# KiCad board uaeficopiedtovfr.kicad_pcb (continued)
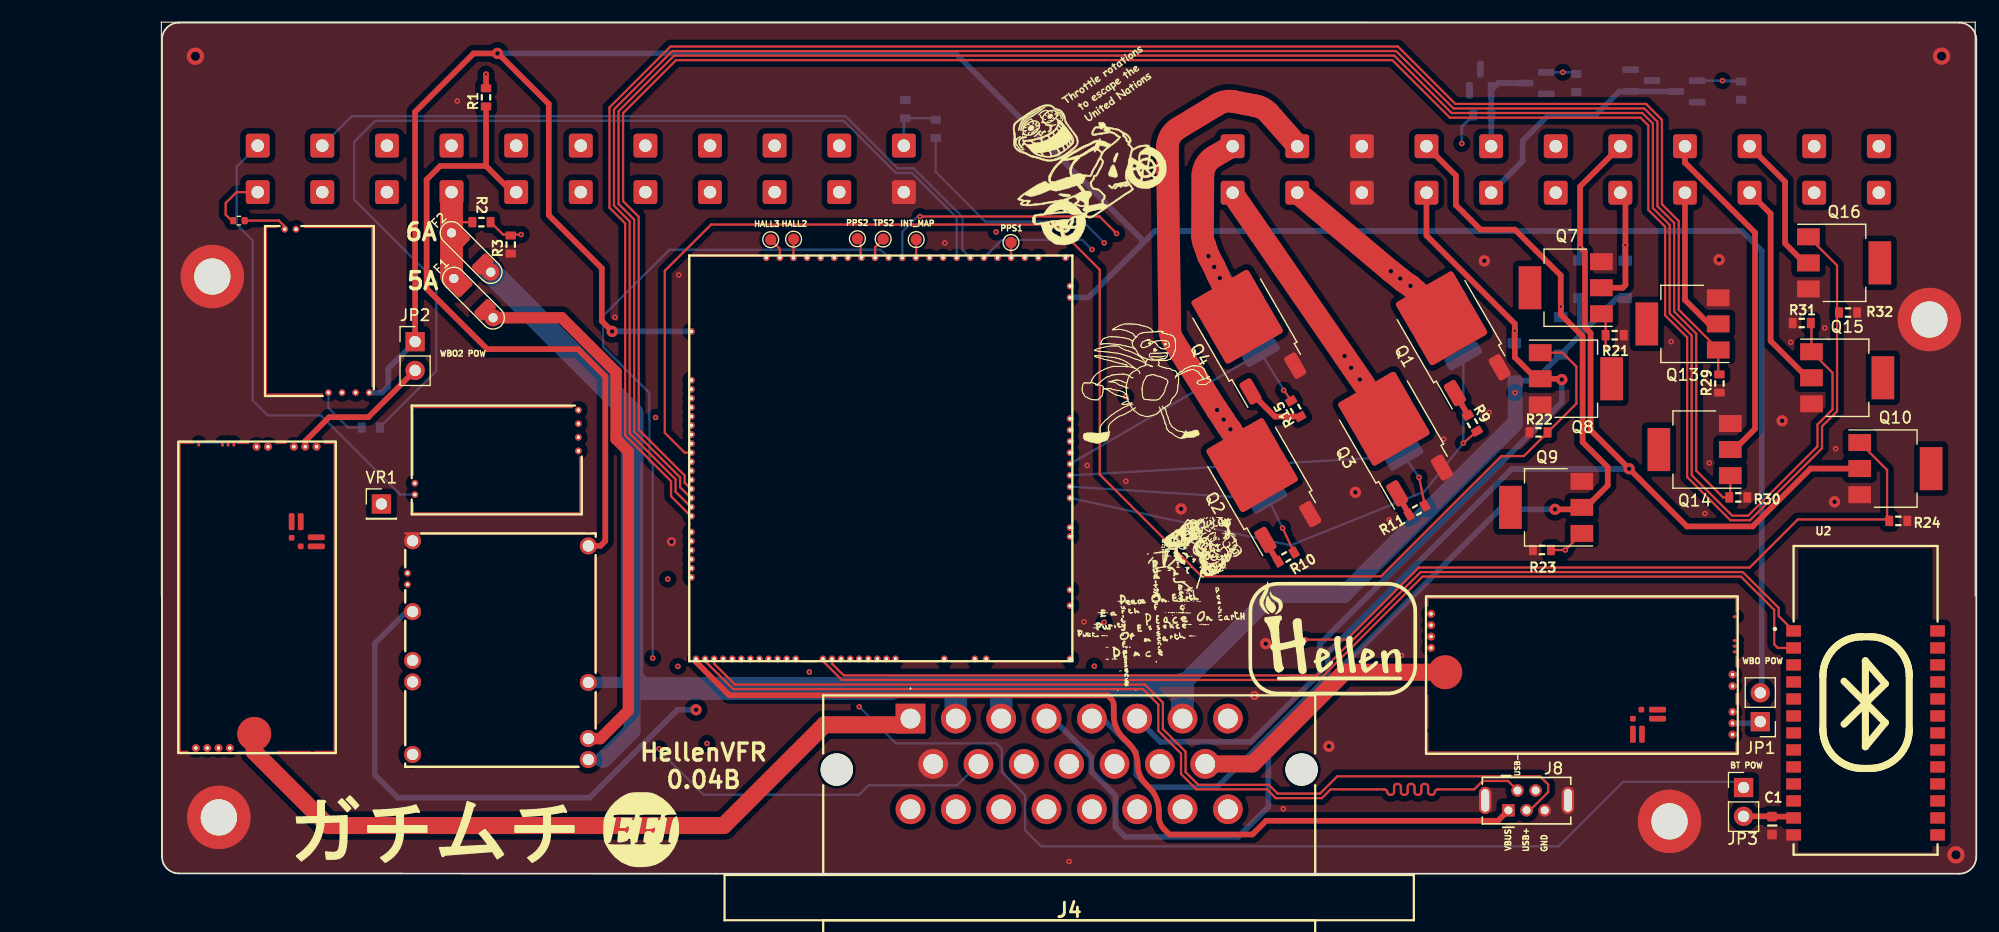
[diagram p0: board, top side]
## Nets
+3.3V: M6.N21 R17.2
+3.3VA: JP3.1 M6.N15
+5V: M1.E4 M6.N22
+5VA: JP1.2 JP2.1 M3.E4 M4.E4 M6.E1 M6.W2
+5VP: M1.V4 R1.1 U1.B7
+12V: F1.1 F2.1 R2.2 U1.B8
+12V_RAW: D2.1 D3.1 D4.1 D5.1 F2.2 J4.2 J4.3 J4.7 M1.V1 M1.V3
/Low Side/+12V_RAW: R16.2
/VBAT: M1.E1 M6.N17
/VBUS: J8.1 M6.N1
GND: C1.1 D6.2 D7.2 H1.1 H2.1 H3.1 H4.1 J4.9 J8.5 J8.6 M1.S1 M3.G M4.G M5.E6 M5.G M6.G M7.E6 M7.G Q1.3 Q2.3 Q3.3 Q4.3 Q7.3 Q8.3 Q9.3 Q10.3 Q11.3 Q12.3 Q13.3 Q14.3 Q15.3 Q16.3 R3.1 R19.1 R21.1 R22.1 R23.1 R24.1 R25.2 R26.2 R29.1 R30.1 R31.1 R32.1 U1.A9 U1.A20 U1.B1 U2.13
GNDA: M6.W1 U1.B2
/ADC3: M6.S15 R5.2
/BARO: M6.S7 U1.B4
/CAM+: M3.W2 REF**. REF**.2 U1.B11
/CAM/CRANK-: M3.W1 M4.W1 R1.2 R17.1 R19.2 U1.B12
/CAN+: J4.8 M5.W4 M6.W11 M7.W4
/CAN-: J4.14 M5.W3 M6.W12 M7.W3
/CLT: M6.S21 U1.B15
/CRANK+: M4.W2 U1.B22
/DC1_DIR: M6.E21
/DC1_DIS: M6.E8
/DC1_PWM: M6.E20
/DC2_DIR: M6.E9
/DC2_DIS: M6.N4
/DC2_PWM: M6.E22
/FILIGHT: D6.1 Q11.2 U1.A7
/FUELPUMP_LS: D2.2 Q7.2 U1.A5
/IAT_SENSOR: M6.S20 U1.B5
/IGN1: M6.W10 R9.2 R12.1
/IGN2: M6.W9 R10.2 R13.1
/IGN3: M6.W8 R11.2 R14.1
/IGN4: M6.W7 R15.2 R18.1
/IGNOUT1: Q1.2 R12.2 U1.A10
/IGNOUT2: Q2.2 R13.2 U1.A21
/IGNOUT3: Q3.2 R14.2 U1.A11
/IGNOUT4: Q4.2 R18.2 U1.A22
/IN_AUX1: J4.13 M6.S11
/IN_AUX2: J4.11 M6.S10
/IN_BUTTON1: M6.S14 U1.B10
/IN_BUTTON2: M6.S16 U1.B21
/IN_BUTTON3: J4.10 M6.S1
/IN_FLEX: J4.12 M6.S17
/IN_HALL1: M6.S4 U1.B17
/IN_HALL2: HALL2.1 M6.S3
/IN_HALL3: HALL3.1 M6.S2
/IN_MAP: M6.S13 U1.B3
/IN_PPS1: M6.S19 PPS1.1
/IN_PPS2: M6.S8 PPS2.1
/IN_TPS1: M6.S18 U1.B14
/IN_TPS2: M6.S9 TPS2.
/IN_VIGN: F1.2 M1.V2
/IN_VMAIN: M6.S6 R2.1 R3.2
/INJ1: M6.E17 Q13.1 R29.2
/INJ2: M6.E16 Q14.1 R30.2
/INJ3: M6.E15 Q15.1 R31.2
/INJ4: M6.E14 Q16.1 R32.2
/INJ5: M6.E13
/INJ6: M6.E12
/INJOUT1: Q13.2 U1.A4
/INJOUT2: Q14.2 U1.A15
/INJOUT3: Q15.2 U1.A3
/INJOUT4: Q16.2 U1.A14
/INTAKEFLAP: D5.2 J4.5 Q10.2 U1.A16
/INTERNAL_MAP: INT_MAP.1 M6.S12
/LS1: M6.E11 Q7.1 R21.2
/LS2: M6.E10 Q8.1 R22.2
/LS3: M6.E18 Q9.1 R23.2
/LS4: M6.E19 Q10.1 R24.2
/LS_WEAK1: M6.W4 Q11.1 R25.1
/LS_WEAK2: M6.W3 Q12.1 R26.1
/OUT_LS2: D3.2 J4.6 Q8.2 U1.A8
/OUT_LS3: D4.2 J4.4 Q9.2 U1.A19
/OUT_LS_WEAK2: D7.1 Q12.2 R16.1 U1.A18
/PWR_EN: M1.E5 M6.N20
/USB+: J8.3 M6.N3
/USB-: J8.2 M6.N2
/VIGN: M1.E3 M6.E5
/VR1: M3.E3 M6.N18 VR1.1
/VR1_A: M3.E2 R5.1
/VR1_THRESHOLD: M3.E1 M6.E23
/VR2: M4.E3 M6.N19
/VREF1: M6.S22
/WBO2_Heater: J4.1 M7.E5
/WBO2_Ip: J4.17 M7.E3
/WBO2_Rtrim: J4.19 M7.E4
/WBO2_Un: J4.18 M7.E1
/WBO2_Vm: J4.16 M7.E2
/WBO_Heater: J4.15 M5.E5
/WBO_Ip: J4.22 M5.E3
/WBO_Rtrim: J4.21 M5.E4
/WBO_Un: J4.20 M5.E1
/WBO_Vm: J4.23 M5.E2
Net-(J3-Pin_1): M7.W8
Net-(J3-Pin_2): M7.W7
Net-(J3-Pin_4): M7.W6
Net-(J3-Pin_5): M7.W5
Net-(J6-Pin_1): M5.W8
Net-(J6-Pin_2): M5.W7
Net-(J6-Pin_4): M5.W6
Net-(J6-Pin_5): M5.W5
Net-(JP1-A): JP1.1 M5.W1
Net-(JP2-B): JP2.2 M7.W1
Net-(JP3-B): C1.2 JP3.2 U2.12
Net-(M1-PG_5VP): M1.E6
Net-(M5-PULL_DOWN1): M5.J1 M5.J_GND1
Net-(M6-LED_GREEN): M6.N14a
Net-(M6-LED_YELLOW): M6.N14b
Net-(M6-UART2_RX_(PD6)): M6.N14 U2.1
Net-(M6-UART2_TX_(PD5)): M6.N13 U2.2
Net-(M7-PULL_DOWN1): M7.J1 M7.J_GND1
Net-(Q1-G): Q1.1 R9.1
Net-(Q2-G): Q2.1 R10.1
Net-(Q3-G): Q3.1 R11.1
Net-(Q4-G): Q4.1 R15.1

Pads without a net: D6 3; D7 3; J8 4; M1 E2; M4 E1 E2; M5 J2 J_GND2 J_VCC1 J_VCC2 W2 W9; M6 E2 E3 E4 E6 E7 N5 N6 N7 N8 N9 N10 N11 N12 N16 N23 S5 W5 W6 W13 W14; M7 J2 J_GND2 J_VCC1 J_VCC2 W2 W9; Q7 4; Q8 4; Q9 4; Q10 4; Q13 4; Q14 4; Q15 4; Q16 4; U1 A1 A2 A6 A12 A13 A17 B6 B9 B13 B16 B18 B19 B20; U2 3 4 5 6 7 8 9 10 11 14 15 16 17 18 19 20 21 22 23 24 25 26

## Via types
v1: diameter 1.524, hole 0.813, Top to Bottom, 3 vias
v2: diameter 0.5, hole 0.2, Top to Bottom, 52 vias
v3: diameter 1, hole 0.4, Top to Bottom, 26 vias
v4: diameter 0.8, hole 0.4, Top to Bottom, 2 vias

## Routing (per net, layer and track width the routed paths; a pad name or vN(x,y) marks a point on that pad's centre or on a via; arc(x,y) is an arc through that point)
+3.3V: length 69
  In1.Cu w0.2: M6.N21 73.13,17.53 80.38,17.53 83.11,20.26 v2(83.11,22.19)
  In2.Cu w0.2: v2(83.11,22.19) 83.11,23.49 83.12,23.5 v2(83.12,55.67)
  Bottom w0.2: R17.2 68.25,61.93 72.64,57.54 81.25,57.54 83.11,55.67 v2(83.12,55.67) 83.12,55.67 83.11,55.68
+3.3VA: length 93
  In1.Cu w0.2: v2(61.51,14.73) M6.N15
  Bottom w0.2: v2(61.51,14.73) 64.75,11.5 73.59,11.5 74.09,11 74.09,8.97 76.14,6.93 76.14,3.83 77.55,2.42 123.2,2.42 128.89,8.11 138.76,8.11 139.5,7.36
+5V: length 76.2
  In2.Cu w0.5: v3(47.11,14.47) 48.11,14.47 49.62,15.97 70.15,15.97 72.71,18.53 M6.N22
  Bottom w0.5: M1.E4 21.58,23.13 18.77,20.32 18.77,8.75 20.8,6.71 37.72,6.71 45.47,14.47 v3(47.11,14.47)
+5VA: length 247.6
  Top w0.5: v3(39.72,47.86) 38.8,48.77 38.8,53.43 34.12,58.11 34.12,67.92 29.66,72.39 v3(29.6,72.39) 27.49,72.39 22.33,67.23 JP2.1
  In2.Cu w0.2: v3(39.72,47.86) 39.72,43.89 M4.E4
  Bottom w0.5: JP1.2 141.12,16.09 141.12,54.97 139.37,56.72 87.59,56.72 81.73,50.86 M6.W2 ; 86.64,55.77 70.02,72.39 v3(29.6,72.39) ; v3(39.72,47.86) M6.E1 ; M3.E4 19.42,42.45 19.97,43 19.97,44.59 JP2.1
+5VP: length 59.4
  Top w0.5: 28.59,62.45 24.54,62.45 23.35,61.26 23.35,51.64 28.69,46.3 36.68,46.3 39.11,43.87 39.11,29.36 38.67,28.93 M1.V4 ; 28.59,62.45 30.89,60.15 U1.B7 ; 28.59,62.45 R1.1
+12V: length 17.3
  Top w0.2: 25.54,57.68 25.72,57.5 27.38,57.5
  Top w2: F1.1 25.55,52.73 25.55,56.55 F2.1 25.54,60.14 U1.B8
  Bottom w2: U1.B8 25.55,56.56 F2.1 25.54,52.73 F1.1
+12V_RAW: length 167.6
  Bottom w0.5: 125.08,47.53 128.35,50.79 D2.1 ; 125.08,47.53 D5.1 ; 125.08,47.53 125.08,47.52 121.08,43.51 D3.1
  Bottom w1: M1.V3 41.83,16.88 ; 38.93,10.08 M1.V1
  Bottom w1.5: 119.31,39.69 104.25,24.63 97.93,24.63 90.03,16.73 ; 38.93,10.08 41.47,12.61 41.47,17.24
  Bottom w2: 70.1,16.56 70.09,16.57 64.58,16.57 64.36,16.34 42.37,16.34 41.47,17.24 41.47,40.63 F2.2 ; 70.1,16.56 70.03,16.49 J4.2 ; 70.1,16.56 74.11,16.56 ; 74.11,16.56 74.03,16.48 J4.3 ; 74.11,16.56 89.86,16.56 90.03,16.73 J4.7
/Low Side/+12V_RAW: length 28.4
  In1.Cu w0.25: v2(114.66,64.44) 115.13,63.97 115.13,58.94 121.21,52.86 121.21,44.31 v2(119.35,42.45)
  Bottom w0.25: R16.2 114.66,65.93 v2(114.66,64.44)
/VBAT: length 51.9
  In1.Cu w0.2: M6.N17 63.11,15.55 61.74,14.18 59.83,14.18 53.65,8 21.52,8 20.44,9.07 21.89,10.53 M1.E1
/VBUS: length 82.6
  Top w0.2: 47.11,18.9 M6.N1
  Top w0.5: 47.11,18.9 47.11,18.7 50.06,15.75 83.43,15.75 83.69,15.49 arc(83.89,15.2) 83.95,14.86 83.95,14.02 arc(84.18,12.91) 84.81,11.97 85.33,11.45 arc(85.87,10.63) 86.06,9.67 arc(86.25,8.71) 86.8,7.9 87.1,7.59 arc(87.72,6.67) 87.94,5.58 87.94,5.06 arc(88.06,4.45) 88.4,3.93 88.87,3.46 96.19,3.46 97.4,4.67 117.85,4.67 J8.1
GND:
  vias: v1(2.95,72.14) v1(156.98,72.15) v1(158.25,1.66) v2(26.05,68.19) v2(39.95,49.1) v2(45.6,52.84) v2(69.06,55.67) v2(80.03,1.08) v2(81.33,22.22) v2(81.62,36.03) v2(85.03,34.64) v2(98.92,5.73) v2(108.26,31.23) v2(109.34,19.25) v2(113.07,38.35) v2(117.06,40.71) v2(133.13,46.96) v2(136.11,31.79) v2(136.5,36.25) v2(143.67,46.9) v2(146.67,48.16) v2(147.64,37.5) v3(89.9,32.2) v3(97.36,20.3) v3(102.94,11.24) v3(105.27,33.66) v3(116.65,54.08) v3(137.35,54.18) v3(142.92,39.97) v3(147.54,32.82) v4(44.95,29.3) v4(96.38,15.73)
GNDA: length 26.7
  In1.Cu w0.2: U1.B2 62.48,60.15 66,56.63 73.58,56.63 v2(73.59,56.64)
  In2.Cu w0.2: v2(73.59,56.64) 79.03,56.64 80.71,54.96 80.71,52.03 80.53,51.86 M6.W1
/ADC3: length 91.3
  Bottom w0.2: M6.S15 70.11,57.89 66.15,61.85 64.73,61.85 60.13,66.45 18.81,66.45 16.95,64.59 16.95,59.49 24.2,52.24 24.2,44.37 19.22,39.39 R5.2
/BARO: length 14.6
  In1.Cu w0.2: U1.B4 51.28,57.22 54.61,57.22 56.62,55.21 59.65,55.21 M6.S7
/CAM+: length 9.4
  Top w0.2: U1.B11 6.59,60.15 5.62,59.18 5.62,58.16 6.1,57.68 ; M3.W2 10.83,57.13 10.32,57.63 REF**.2
  In1.Cu w0.2: U1.B11 8.45,59.62
/CAM/CRANK-: length 118.8
  Top w0.5: R1.2 v2(28.59,70.55)
  In1.Cu w0.2: M3.W1 11.83,57.3 12.51,57.98 18.92,57.98 20.36,56.54 20.36,36.03 21.94,34.45 M4.W1
  In2.Cu w0.5: M3.W1 11.83,60.39 10.04,62.17 6.54,62.17 5.6,63.1 5.6,68.17 7.98,70.55 v2(28.59,70.55) 28.61,70.53 59.16,70.53 U1.B12
  Bottom w0.2: R19.2 68.11,66.67 R17.1
  Bottom w0.25: R19.2 65.45,66.55 U1.B12
/CAN+: length 211.8
  In1.Cu w0.2: M5.W4 138.55,16.56 141.18,19.19 141.18,23.48 138.86,25.8 97.67,25.8 arc(97.54,25.86) 97.48,25.99 arc(97.43,26.13) 97.29,26.18 97.01,26.18 arc(96.88,26.13) 96.82,25.99 96.82,25.61 arc(96.77,25.47) 96.63,25.42 96.41,25.42 arc(96.28,25.47) 96.22,25.61 arc(96.17,25.74) 96.03,25.8 95.99,25.76 85.36,25.76 85.34,25.74 ; J4.8 94.03,17.06 90.79,20.3 arc(90.75,20.4) 90.79,20.49 arc(90.82,20.58) 90.79,20.68 90.55,20.91 arc(90.45,20.95) 90.36,20.91 90.17,20.73 arc(90.08,20.69) 89.99,20.73 89.67,21.05 arc(89.63,21.14) 89.67,21.24 arc(89.71,21.33) 89.67,21.42 80.53,30.56 M6.W11
  In2.Cu w0.2: J4.8 92.29,11.95 83.93,11.95 82.06,10.08 82.06,8.67 81.07,7.67 63.94,7.67 61.12,4.85 18.46,4.85 16.38,6.93 16.38,38.05 15.39,39.04 10.26,39.04 9.36,38.15 M7.W4
/CAN-: length 212.6
  In1.Cu w0.2: J4.14 90.28,11.94 94.56,11.94 95.64,13.02 95.64,13.03 108.01,25.4 138.69,25.4 140.78,23.32 140.78,19.36 139,17.58 M5.W3 ; J4.14 88.03,22.26 80.53,29.76 M6.W12 ; J4.14 86.29,7.95 77.92,7.95 76.32,6.35 76.32,4.54 73.38,1.61 22.82,1.61 20.83,3.59 arc(20.66,3.66) 20.49,3.59 20.48,3.58 arc(20.31,3.51) 20.14,3.58 20.06,3.66 arc(19.99,3.83) 20.06,4 20.42,4.37 arc(20.49,4.54) 20.42,4.71 20.34,4.79 arc(20.17,4.87) 20,4.79 19.63,4.43 arc(19.46,4.36) 19.29,4.43 19.21,4.51 arc(19.14,4.68) 19.21,4.85 19.57,5.22 arc(19.64,5.39) 19.57,5.56 19.49,5.64 arc(19.32,5.71) 19.15,5.64 18.78,5.28 arc(18.61,5.21) 18.44,5.28 18.36,5.36 arc(18.29,5.53) 18.36,5.7 18.73,6.07 arc(18.8,6.24) 18.73,6.41 18.64,6.49 arc(18.47,6.56) 18.3,6.49 18.29,6.48 arc(18.12,6.41) 17.95,6.48 17.32,7.11 17.32,37.38 16.2,38.49 9.15,38.49 M7.W3
/CLT: length 33.1
  In1.Cu w0.2: M6.S21 73.89,57.77 71.66,57.77 67,62.42 51.59,62.42 49.76,64.25 U1.B15
/CRANK+: length 103.1
  In2.Cu w0.2: 64.75,62.56 57.58,69.74 13.94,69.74 U1.B22
  Bottom w0.2: U1.B22 6.59,62.4 6.59,57.29 8,55.88 8,41.77 9.33,40.45 14.02,40.45 21.02,33.45 M4.W2
/FILIGHT: length 20.5
  Bottom w0.5: 132.99,69.05 132.97,69.03 128.54,69.03 126.4,66.89 122.23,66.89 120.03,64.68 120.03,62.88 U1.A7
/FUELPUMP_LS: length 11.3
  Top w0.5: 129.09,59.65 129.09,55.48 v2(129.09,55.47) 129.09,55.46 129.09,51.95 128.85,51.71 Q7.2
  Bottom w0.5: D2.2 129.07,55.45 v2(129.09,55.47)
/IAT_SENSOR: length 41.5
  In2.Cu w0.2: M6.S20 74.81,55.66 73.42,55.66 67.06,62.02 58.66,62.02 54.78,65.91 46.91,65.91 42.65,61.64 U1.B5
/IGN1: length 47.4
  Top w0.2: v2(114.8,38) R9.2
  Bottom w0.2: M6.W10 99.56,28.98 111.36,33.73 v2(114.8,38) R12.1
/IGN2: length 22.8
  Top w0.2: R10.2 v2(98.85,30.5)
  Bottom w0.2: v2(98.85,30.5) R13.1 M6.W9
/IGN3: length 34.4
  Top w0.2: v2(110.89,34.98) R11.2
  Bottom w0.2: M6.W8 R14.1 v2(110.89,34.98)
/IGN4: length 24.5
  Top w0.2: 99.62,41.72 98.97,42.67
  Bottom w0.2: 98.97,42.67 96.96,45.94 ; M6.W7 R18.1
  vias: v2(98.94,42.66)
/IGNOUT1: length 19.9
  Top w2: 112.69,49.6 v3(110.13,51.88) 109.48,52.3 v3(109.23,52.52) v3(108.41,53.17) 100.21,60.06
  Bottom w2: 108.33,53.25 111.14,51.01
/IGNOUT2: length 48.9
  Top w2: 96.79,34.96 v3(94.25,39.22) 93.91,39.67 v3(93.66,40.08) v3(93.07,40.93) 89.2,47.05 arc(88.98,47.55) 88.9,48.09 88.69,64.06 arc(88.94,65.05) 89.65,65.79 93.12,67.89 arc(93.81,68.15) 94.54,68.14 96.52,67.75 arc(97.13,67.53) 97.64,67.12 100.2,64.22
  Bottom w2: 93.04,41 94.52,38.62
/IGNOUT3: length 24.6
  Top w0.2: 106.66,42.27 106.69,42.27
  Top w2: 106.06,43.14 94.43,60.03
  Bottom w2: 104.27,45.71 106.59,42.4
  vias: v3(104.32,45.68) v3(104.9,44.65) v3(105.67,43.61)
/IGNOUT4: length 21.7
  Top w2: 95.47,48.06 93.12,52.86 v3(92.82,53.55) v3(92.32,54.5) 91.98,55.48 arc(91.83,55.91) 91.79,56.35 91.82,61.57 arc(92.09,62.57) 92.82,63.3 94.46,64.24
  Bottom w2: 92.32,54.54 93.92,51.5
  vias: v3(93.32,52.56)
/IN_AUX1: length 92.2
  Top w0.2: v2(66.87,57.99) 66.88,58 82.7,58 v2(84.21,56.49)
  In2.Cu w0.2: v2(84.21,56.49) 84.18,56.46 84.18,40.64 102.8,22.01 102.8,15.47 98.84,11.5 85.68,11.5 84.03,9.85 J4.13
  Bottom w0.2: M6.S11 65.31,56.65 66.65,57.99
/IN_AUX2: length 98.2
  In1.Cu w0.2: v2(43.29,19.03) 43.29,16.14 47.94,11.49 v2(48.08,11.49)
  In2.Cu w0.2: J4.11 74.26,11.45 48.12,11.45 v2(48.08,11.49)
  Bottom w0.2: v2(43.29,19.03) 43.29,36.11 43.02,36.38 43.02,40.01 42.99,40.04 42.99,42.42 38.92,46.49 38.92,49.21 44.77,55.07 63.4,55.07 M6.S10
/IN_BUTTON1: length 59.1
  In2.Cu w0.2: U1.B10 16.45,62.45 31.69,62.45 37.33,56.81 66.46,56.81 M6.S14
/IN_BUTTON2: length 65.1
  Bottom w0.2: M6.S16 70.61,55.05 70.61,57.95 66.32,62.25 64.89,62.25 60.3,66.85 16.74,66.85 U1.B21
/IN_BUTTON3: length 83.8
  In1.Cu w0.2: v2(43.54,40.26) 43.58,40.3 43.58,52.32 46.22,54.96 53.13,54.96 53.31,54.78 M6.S1
  In2.Cu w0.2: v2(43.54,40.26) 43.53,40.25 43.53,25.62 43.85,25.31 v2(43.85,11.03)
  Bottom w0.2: v2(43.85,11.03) 43.85,10.89 47.77,6.97 61.49,6.97 62.32,7.8 70.14,7.8 J4.10
/IN_FLEX: length 57
  In1.Cu w0.2: v2(82.24,18.31) 82.24,16.66 80.03,14.45 J4.12
  In2.Cu w0.2: v2(82.04,55.09) 82.26,54.86 82.26,18.33 v2(82.24,18.31)
  Bottom w0.2: M6.S17 74.09,55.94 81.19,55.94 v2(82.04,55.09)
/IN_HALL1: length 24.1
  In1.Cu w0.2: M6.S4 54.44,56.82 49.05,56.82 44.37,61.5 39.7,61.5 U1.B17
/IN_HALL2: length 1.6
  Top w0.2: M6.S3 55.71,55.99 HALL2.1
/IN_HALL3: length 1.9
  Top w0.2: HALL3.1 54.51,55.14 M6.S2
/IN_MAP: length 16.1
  In1.Cu w0.2: M6.S13 64.9,57.16 58.28,57.16 55.29,60.15 U1.B3
/IN_PPS1: length 1.4
  Top w0.2: PPS1.1 74.9,54.37 M6.S19
/IN_PPS2: length 1.8
  Top w0.2: M6.S8 61.63,54.43 61.63,55.76 PPS2.1
/IN_TPS1: length 23.9
  In2.Cu w0.2: M6.S18 73.71,54.57 66.66,61.62 56.68,61.62 U1.B14
/IN_TPS2: length 1.9
  Top w0.2: 63.62,56.01 62.91,55.3 M6.S9
/IN_VIGN: length 47.7
  Top w1: M1.V2 38.67,11.93 41.15,14.4 41.15,37.27 40.06,38.36 40.06,44.26 35.26,49.06 F1.2
/IN_VMAIN: length 31.6
  Top w0.2: v2(31.69,56.41) 30.08,56.41 R2.1
  In2.Cu w0.2: v2(31.69,56.41) 57.26,56.41 M6.S6
/INJ1: length 161.4
  Top w0.2: M6.E17 46.66,31.56 44.91,33.31 44.91,34.64 40.86,38.69 40.86,57.4 39.47,58.78 39.47,67.62 44.86,73 109.03,73 114.1,67.93 130.92,67.93 132.31,66.53 132.31,59.08 133.8,57.6 133.8,49.77 137.28,46.29 Q13.1 137.28,44.17 R29.2
/INJ2: length 172.8
  Top w0.2: Q14.1 138.34,33.31 R30.2 137.7,33.21 135.34,35.57 135.34,47.66 133.4,49.6 133.4,57.43 131.91,58.91 131.91,66.37 130.75,67.53 113.93,67.53 108.86,72.6 45.02,72.6 39.88,67.45 39.88,58.95 41.26,57.56 41.26,38.86 45.31,34.81 45.31,33.71 46.66,32.36 M6.E16
/INJ3: length 192.4
  Top w0.2: M6.E15 46.66,33.16 45.71,34.11 45.71,34.97 41.66,39.02 41.66,57.73 40.27,59.11 40.27,67.29 45.19,72.2 108.69,72.2 113.76,67.13 130.59,67.13 131.51,66.2 131.51,58.74 133,57.26 133,49.44 134.94,47.5 134.94,35.17 138.52,31.59 139.92,31.59 146.04,37.71 146.04,39.65 147.36,40.97 147.36,44.21 Q15.1 145.5,48.54 R31.2
/INJ4: length 199.3
  Top w0.2: M6.E14 46.66,33.96 46.11,34.51 46.11,35.14 42.06,39.19 42.06,57.97 40.67,59.35 40.67,67.12 45.35,71.8 108.53,71.8 113.61,66.72 130.43,66.72 131.12,66.04 131.12,58.58 132.6,57.1 132.6,49.27 134.54,47.33 134.54,35.01 138.35,31.19 140.08,31.19 146.44,37.55 146.44,39.48 147.76,40.81 147.76,53.68 Q16.1
/INJOUT1: length 13.3
  Top w0.5: Q13.2 136.46,48.52 134.35,50.63 U1.A4
/INJOUT2: length 30.4
  Top w0.5: U1.A15 134.35,62.75 140.53,56.56 140.53,39.27 138.69,37.43 Q14.2
/INJOUT3: length 18.8
  Top w0.2: 145.44,43.77 145.42,43.76
  Top w0.5: U1.A3 141.9,58.24 141.9,47.02 145.16,43.76 Q15.2
/INJOUT4: length 12.7
  Top w0.2: 144.82,54.17 144.82,54.17
  Top w0.5: U1.A14 143.18,61.07 143.18,55.62 144.89,53.91 Q16.2
/INTAKEFLAP: length 121.4
  Top w0.5: U1.A16 125.09,60.65 125.09,55.29 v2(125.09,55.28) 125.53,54.85 125.53,48.21 126.02,47.72 126.02,39.15 134.52,30.64 140.31,30.64 145.42,35.75 Q10.2
  Bottom w0.5: v3(129.43,35.74) 129.4,35.71 119.06,35.71 102.84,19.49 102.84,17.4 93.06,7.63 87.05,7.63 85.95,8.73 85.95,10.73 83,13.69 J4.5 ; D5.2 125.08,55.28 v2(125.09,55.28)
/INTERNAL_MAP: length 1.6
  Top w0.2: M6.S12 66.53,54.38 INT_MAP.1
/LS1: length 161.4
  Top w0.2: Q7.1 127.35,49.04 v2(127.35,46.51)
  In1.Cu w0.2: v2(127.35,46.51) 130.5,49.67 130.5,66.56 123.61,73.45 43.06,73.45 33.34,63.73 33.34,52.85 42.39,43.8 42.39,40.62 46.66,36.36 M6.E11
/LS2: length 136.2
  Top w0.2: Q8.1 123.54,45.98 124.77,44.75 124.77,41.49 120.14,36.86 118.16,36.86 107.55,26.25 91.71,26.25 82.72,35.23 82.72,53.31 78.74,57.29 48.44,57.29 44.36,53.2 44.36,38.91 46.11,37.16 M6.E10
/LS3: length 208.4
  Top w0.2: R23.2 v2(123.79,28.57) Q9.1
  In1.Cu w0.2: v2(123.79,28.57) 125.27,28.57 142.93,46.23 142.93,69.05 138.38,73.6 124.03,73.6 123.77,73.85 42.9,73.85 32.94,63.9 32.94,52.68 41.99,43.63 41.99,40.46 43.55,38.9 43.55,32.91 46.31,30.16 M6.E18
/LS4: length 138.4
  Top w0.2: v2(100.84,20.65) 104.5,20.65 110.87,27.02 140.06,27.02 144.3,31.26 152.17,31.26 152.17,35.64 Q10.1
  In2.Cu w0.2: v2(100.84,20.65) 97.95,17.76 72.72,17.76 70.38,15.42 49.85,15.42 47.87,13.45 46.42,13.45 44.73,15.14 44.73,24.62 45.2,25.08 45.2,27.87 45.53,28.21 45.53,28.23 46.66,29.36 M6.E19
/LS_WEAK1: length 82.8
  In1.Cu w0.2: M6.W4 83.06,42.11 v2(85.02,42.11)
  In2.Cu w0.2: v2(85.02,42.11) 112.22,42.11 116.78,46.68 126.07,46.68 137.61,58.22 137.61,69.95 v2(137.65,69.98)
  Bottom w0.2: v2(137.65,69.98) 137.73,69.9 R25.1 139.22,69.98 135.43,69.98
/LS_WEAK2: length 67.2
  In2.Cu w0.2: v2(123.57,70.73) 96.84,70.73 81.11,55 81.11,40.76 80.51,40.16 M6.W3
  Bottom w0.2: R26.1 124.61,70.73 v2(123.57,70.73) 123.57,70.73 Q12.1
/OUT_LS2: length 78.1
  Top w0.5: v3(123.48,43.61) 123.41,43.68 Q8.2 121.23,43.68 119.34,45.57 119.34,47.91 v2(119.34,47.91) 119.34,47.92 119.34,48.53 111.55,56.32 U1.A8
  Bottom w0.5: v2(119.34,47.91) 119.31,47.88 D3.2 ; J4.6 88.09,11.63 96.07,11.63 102.14,17.69 102.14,20.27 123.48,41.61 v3(123.48,43.61)
/OUT_LS3: length 112.4
  Top w0.5: v3(122.88,32.16) 125.08,32.16 Q9.2 ; U1.A19 114.14,61.61 114.14,59.01 116.31,56.84 119.35,56.84 123.39,52.8 123.39,50.06 v2(123.4,50.04) 123.4,49.34 125.32,47.43 125.32,38.09 127.54,35.87 127.54,34.27 125.72,32.45 124.59,32.45
  Bottom w0.5: v2(123.4,50.04) 123.38,50.02 D4.2 ; J4.4 78.57,13.69 81.98,10.28 81.98,9.02 84.11,6.89 84.11,4.1 84.96,3.25 94.95,3.25 97.6,5.9 97.6,11.17 103.54,17.11 103.54,17.7 118,32.16 v3(122.88,32.16)
/OUT_LS_WEAK2: length 8.1
  Bottom w0.5: 117.25,69.01 U1.A18 ; D7.1 117.89,69.78 Q12.2
/PWR_EN: length 63.9
  In1.Cu w0.2: v2(45.51,18.3) 45.51,18.37 39.74,24.14 39.74,29.69 38.57,30.86 21.36,30.86 20.96,30.45 20.96,26.23 M1.E5
  In2.Cu w0.2: M6.N20 69.01,18.56 67.03,16.58 47.23,16.58 v2(45.51,18.3)
/USB+: length 85.3
  Top w0.2: M6.N3 48.71,18.53 50.54,16.7 86.7,16.7 88.29,15.1 88.29,12.77 90.29,10.77 90.29,8.97 91.42,7.84 97.64,7.84 98.42,7.07 102.15,7.07 103.68,8.6 121.55,8.6 122.28,7.87 122.28,7.2 120.68,5.6 J8.3
/USB-: length 85.3
  Top w0.2: J8.2 118.73,8.19 116.5,8.19 115.76,7.44 112.57,7.44 112.53,7.44 arc(112.36,7.37) 112.29,7.2 arc(112.22,7.04) 112.05,6.97 111.93,6.97 arc(111.76,7.04) 111.69,7.2 111.69,7.68 arc(111.62,7.85) 111.45,7.92 111.33,7.92 arc(111.16,7.85) 111.09,7.68 111.09,7.2 arc(111.02,7.04) 110.85,6.97 110.73,6.97 arc(110.56,7.04) 110.49,7.2 110.49,7.68 arc(110.42,7.85) 110.25,7.92 110.13,7.92 arc(109.96,7.85) 109.89,7.68 109.89,7.2 arc(109.82,7.04) 109.65,6.97 109.53,6.97 arc(109.36,7.04) 109.29,7.2 109.29,7.68 arc(109.22,7.85) 109.05,7.92 108.93,7.92 arc(108.76,7.85) 108.69,7.68 108.69,7.2 arc(108.62,7.04) 108.45,6.97 108.33,6.97 arc(108.16,7.04) 108.09,7.2 arc(108.02,7.37) 107.85,7.44 103.09,7.44 102.32,6.67 98.25,6.67 97.47,7.44 91.25,7.44 89.89,8.8 89.89,10.61 87.89,12.61 87.89,14.94 86.53,16.3 50.38,16.3 47.91,18.77 M6.N2
/VIGN: length 44.7
  In2.Cu w0.25: M6.E5 43.34,41.16 42.03,39.85 42.03,35.96 36.52,30.45 21.28,30.45 20.76,29.92 20.76,19.93 21.86,18.83 M1.E3
/VR1: length 85.7
  In1.Cu w0.2: M6.N18 63.91,15.79 61.9,13.78 60,13.78 53.82,7.6 21.35,7.6 19.33,9.62 19.33,40.21 M3.E3
/VR1_A: length 5
  Bottom w0.2: R5.1 16.41,39.38 14.69,41.1 M3.E2
/VR1_THRESHOLD: length 82.7
  In1.Cu w0.2: v2(44.62,26) 44.78,26.16 M6.E23
  In2.Cu w0.2: v2(44.62,26) 44.33,25.71 44.33,11.32 44.4,11.25 44.4,10.8 44.33,10.73 44.33,10.02 39.74,5.43 20.94,5.43 18.09,8.27 18.09,40.25 M3.E1
/VR2: length 45
  In1.Cu w0.2: M4.E3 42.67,33.78 42.67,21.92 46.79,17.79 v2(57.1,17.79) 57.1,17.78 57.15,17.74
  In2.Cu w0.2: v2(57.1,17.79) 64.25,17.79 64.71,18.25 M6.N19
/WBO2_Heater: length 66.1
  Top w1.5: M7.E5 8.14,10.76 14.65,4.25 49.55,4.25 58.45,13.15 65.49,13.15 J4.1
/WBO2_Ip: length 69.7
  In2.Cu w0.2: M7.E3 4.99,10.93 13.08,2.84 67.18,2.84 J4.17
/WBO2_Rtrim: length 80
  In1.Cu w0.2: M7.E4 4.79,10.29 6.78,10.29 15.86,1.21 73.55,1.21 J4.19
/WBO2_Un: length 76
  In2.Cu w0.2: M7.E1 3.64,10.44 4.92,10.44 12.92,2.44 70.78,2.44 J4.18
/WBO2_Vm: length 64.6
  In2.Cu w0.2: J4.16 63.58,3.24 13.25,3.24 5.99,10.5 M7.E2
/WBO_Heater: length 24.5
  Top w1.5: J4.15 96.21,9.69 104.31,17.78 M5.E5
/WBO_Ip: length 28.2
  In1.Cu w0.2: J4.22 91.64,7.3 95.07,7.3 108.7,20.93 M5.E3
/WBO_Rtrim: length 32.7
  In1.Cu w0.2: J4.21 87.63,5.69 89.64,7.7 94.91,7.7 109.14,21.93 M5.E4
/WBO_Un: length 37.6
  In1.Cu w0.2: M5.E1 111.95,22.94 106.64,22.94 95.25,11.55 91.6,11.55 89.98,9.93 89.98,9 88.37,7.38 83.72,7.38 J4.20
/WBO_Vm: length 23.8
  In1.Cu w0.2: M5.E2 108.27,19.93 J4.23
Net-(JP1-A): length 2.5
  Bottom w0.5: JP1.1 140.85,13.28 M5.W1
Net-(JP2-B): length 12.8
  Top w0.5: JP2.2 18.21,40.29 14.76,40.29 12.64,38.18 M7.W1
Net-(JP3-B): length 4.6
  Top w0.2: U2.12 143.81,5.04
  Top w0.5: JP3.2 142,5.06 C1.2 143.81,5.04 U2.12
Net-(M6-UART2_RX_(PD6)): length 92
  Top w0.2: M6.N14 59.11,18.53 60.14,17.5 101.91,17.5 111.03,26.62 139.45,26.62 142.62,23.45 142.62,22.74 U2.1
Net-(M6-UART2_TX_(PD5)): length 94.7
  Top w0.2: M6.N13 58.31,18.77 59.97,17.1 102.08,17.1 111.2,26.22 139.28,26.22 142.22,23.28 142.22,20.24 142.53,19.92 U2.2
Net-(Q1-G): length 2.2
  Top w0.5: 114.08,42.36 115.23,40.45
Net-(Q2-G): length 1.9
  Top w0.5: 97.3,29.42 98.29,27.76
Net-(Q3-G): length 2
  Top w0.5: 108.96,33.54 109.94,31.84
Net-(Q4-G): length 5.2
  Top w0.5: 96.09,42.42 98.17,40.34 R15.1

## Copper pours and planes (outline as drawn; the poured copper is in the pictures)
GND on Top, Bottom: -0.05,75.15 160.15,75.15 160.15,-3.95 -0.05,-3.95

## Text on the board
B.Silkscreen: JLCJLCJLCJLC | JLCPCB Order no: | EVERY MORNING I WAKE UP AND OPEN PALM SLAM A VHS INTO THE SLOT. / ITS THE 1988 DUB OF AKIRA AND RIGHT THEN AND THERE I START DOING THE MOVES ALONGSIDE WITH THE MAIN CHARACTER, KANEDA. / I DO EVERY MOVE AND I DO EVERY MOVE HARD. MAKIN RASSE RASSE RASSERA SOUNDS WHEN I PLAY CHICKEN WITH SOME / CLOWNS OR EVEN WHEN I MESS UP TECHNIQUE. NOT MANY CAN SAY THEY ESCAPED NEO TOKYOS GREATEST ESPER. / I CAN. I SAY IT AND I SAY IT OUTLOUD EVERYDAY TO PEOPLE IN MY COLLEGE CLASS AND ALL THEY DO IS PROVE / PEOPLE IN COLLEGE CLASS CAN STILL BE IMMATURE JERKS. AND IVE LEARNED ALL THE LINES AND IVE LEARNED HOW TO MAKE / MYSELF AND MY APARTMENT LESS LONELY BY SHOUTING TETSUOOOOOOO. 2 HOURS INCLUDING WIND DOWN EVERY MORNING. THEN I RIDE MY BIKE
F.Silkscreen: USB- | WBO2 POW | BT POW | WBO POW | VBUS | USB+ | GND | - | 6A | 5A | HellenVFR / 0.04B
